# KiCad board RASBB.kicad_pcb (continued)
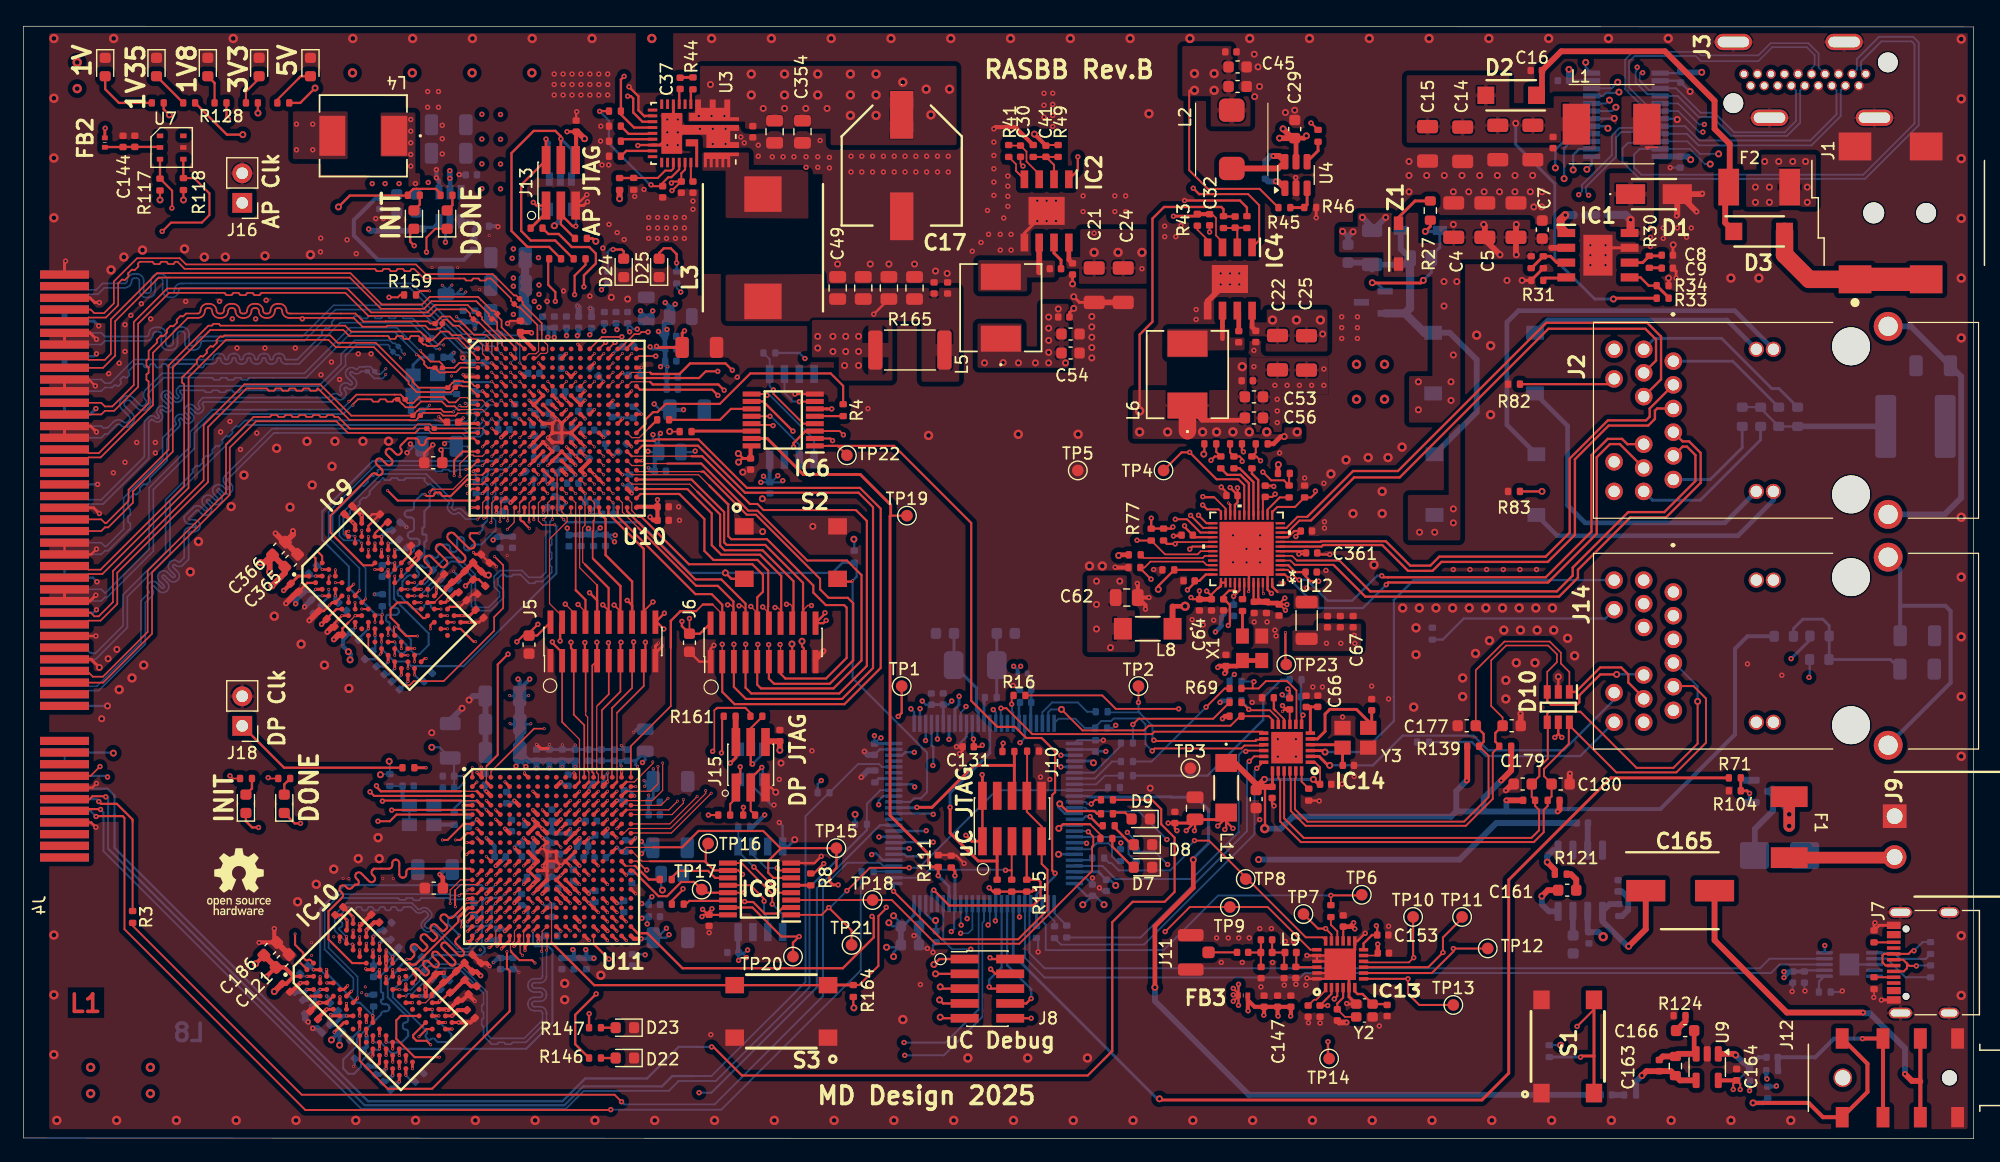
[diagram p0: board, top side]
## Library data of the parts (continued)
U4 = -: Datasheet: https://www.lcsc.com/datasheet/lcsc_datasheet_2404111510_JoulWatt-Tech-JW5026_C185109.pdf; Description: Step-down type 1A SOT-23-6 DC-DC Converters ROHS; LCSC Part #: C185109
U6 = -: Datasheet: https://www.lcsc.com/datasheet/lcsc_datasheet_2403131141_WCH-Jiangsu-Qin-Heng-CH340E_C99652.pdf; Description: 2Mbps Transceiver USB 2.0 MSOP-10 USB Converters ROHS; LCSC Part #  : C99652; LCSC Part #: C99652
U7 = -: Datasheet: https://www.lcsc.com/datasheet/lcsc_datasheet_2310231158_Aosong--Guangzhou-Elec-AHT20_C2757850.pdf; Description: SMD Temperature and Humidity Sensor ROHS; LCSC Part #: C2757850
U8 = -: Datasheet: https://www.lcsc.com/datasheet/lcsc_datasheet_2004111632_HTC-Korea-TAEJIN-Tech-LM386D_C510560.pdf; Description: SOP-8 Audio Amplifiers ROHS; Mfr. Part # : LM386D; LCSC Part #: C510560; Mfr. Part #: LM386D; ki_fp_filters: SOIC*3.9x4.9mm*P1.27mm* DIP*W7.62mm* MSSOP*P0.65mm* TSSOP*3x3mm*P0.5mm*
U9 = -: Datasheet: http://www.ti.com/lit/ds/symlink/lm321.pdf; Description: Low Power Single Operational Amplifier, SOT-23-5; LCSC Part #: C280706; ki_fp_filters: SOT?23*
U10 U11 = -: Description: Artix 7 T 100 XC7A100T-CSG324; Mfr. Part # : XC7A100T-2CSG324I; LCSC Part #: C1521791; Mfr. Part #: XC7A100T-2CSG324I
U12 = -: Description: 4 PHYtransceiver QFN-48-EP(6x6) Ethernet Transceivers ROHS; LCSC Part # : C90735; LCSC Part #: C90735; ki_fp_filters: QFN48_6X6X0P85_RTK QFN48_6X6X0P85_RTK-M QFN48_6X6X0P85_RTK-L
X1 X3 X4 = -: Datasheet: https://www.lcsc.com/datasheet/lcsc_datasheet_2407310922_YXC-Crystal-Oscillators-OT2EL4C4JI-111OLP-50M_C5203552.pdf; Description: 1.8V~3.3V ±10ppm CMOS 50MHz SMD3225-4P Crystal Oscillator; LCSC Part #: C5203552; ki_fp_filters: Oscillator*SMD*Abracon*ASE*3.2x2.5mm*
Y1 = -: Datasheet: https://www.lcsc.com/datasheet/lcsc_datasheet_2403291504_YXC-Crystal-Oscillators-X503220MSB2GI_C112566.pdf; Description: 20MHz Surface Mount Crystal 20pF ±10ppm ±20ppm SMD5032 Crystals ROHS; LCSC Part #: C112566; ki_fp_filters: Crystal*
Y2 = -: Datasheet: https://www.lcsc.com/datasheet/lcsc_datasheet_2206091716_HCI-XC21M4-52-000-F10NNHPL_C3034316.pdf; Description: 52MHz Surface Mount Crystal 10pF ±10ppm ±10ppm SMD2016-4P Crystals ROHS; Manufacturer_Name: HCI; LCSC Part #: C3034316
Y3 = -: Description: Four pin crystal, GND on pins 2 and 3; LCSC Part #: C5280577; ki_fp_filters: Crystal*
Z1 = -: Datasheet: http://www.onsemi.com/pub/Collateral/MMSZ5221BT1-D.PDF; Description: Independent Type 26.6V~29.4V 500mW 28V SOD-123 Zener Diodes ROHS; Height: 1.35; Manufacturer_Name: onsemi; LCSC Part #: C242284

## Footprints (pads in the part's own frame, mm; a bottom-side part is the same pattern mirrored in y, then rotated)
0630CDMCDDS-100MC
  rect 2.35x3.5 smd: 1(-3.025,0) 2(3.025,0)
AHT20
  rect 0.55x0.4 smd: 1(-1,1) 2(-1,0) 3(-1,-1) 4(1,-1) 5(1,0) 6(1,1)
B3FS-1000P
  rect 1.6x1.4 smd: 1(4,-2.25) 2(-4,-2.25) 3(4,2.25) 4(-4,2.25)
BGA96C80P9X16_800X1400X120
  round 0.426 smd: A1(-3.2,6) A2(-2.4,6) A3(-1.6,6) A7(1.6,6) A8(2.4,6) A9(3.2,6) B1(-3.2,5.2) B2(-2.4,5.2) B3(-1.6,5.2) B7(1.6,5.2) B8(2.4,5.2) B9(3.2,5.2) C1(-3.2,4.4) C2(-2.4,4.4) C3(-1.6,4.4) C7(1.6,4.4) C8(2.4,4.4) C9(3.2,4.4) D1(-3.2,3.6) D2(-2.4,3.6) D3(-1.6,3.6) D7(1.6,3.6) D8(2.4,3.6) D9(3.2,3.6) E1(-3.2,2.8) E2(-2.4,2.8) E3(-1.6,2.8) E7(1.6,2.8) E8(2.4,2.8) E9(3.2,2.8) F1(-3.2,2) F2(-2.4,2) F3(-1.6,2) F7(1.6,2) F8(2.4,2) F9(3.2,2) G1(-3.2,1.2) G2(-2.4,1.2) G3(-1.6,1.2) G7(1.6,1.2) G8(2.4,1.2) G9(3.2,1.2) H1(-3.2,0.4) H2(-2.4,0.4) H3(-1.6,0.4) H7(1.6,0.4) H8(2.4,0.4) H9(3.2,0.4) J1(-3.2,-0.4) J2(-2.4,-0.4) J3(-1.6,-0.4) J7(1.6,-0.4) J8(2.4,-0.4) J9(3.2,-0.4) K1(-3.2,-1.2) K2(-2.4,-1.2) K3(-1.6,-1.2) K7(1.6,-1.2) K8(2.4,-1.2) K9(3.2,-1.2) L1(-3.2,-2) L2(-2.4,-2) L3(-1.6,-2) L7(1.6,-2) L8(2.4,-2) L9(3.2,-2) M1(-3.2,-2.8) M2(-2.4,-2.8) M3(-1.6,-2.8) M7(1.6,-2.8) M8(2.4,-2.8) M9(3.2,-2.8) N1(-3.2,-3.6) N2(-2.4,-3.6) N3(-1.6,-3.6) N7(1.6,-3.6) N8(2.4,-3.6) N9(3.2,-3.6) P1(-3.2,-4.4) P2(-2.4,-4.4) P3(-1.6,-4.4) P7(1.6,-4.4) P8(2.4,-4.4) P9(3.2,-4.4) R1(-3.2,-5.2) R2(-2.4,-5.2) R3(-1.6,-5.2) R7(1.6,-5.2) R8(2.4,-5.2) R9(3.2,-5.2) T1(-3.2,-6) T2(-2.4,-6) T3(-1.6,-6) T7(1.6,-6) T8(2.4,-6) T9(3.2,-6)
BGA324C80P18X18_1500X1500X150
  round 0.41 smd: A1(-6.8,6.8) A2(-6,6.8) A3(-5.2,6.8) A4(-4.4,6.8) A5(-3.6,6.8) A6(-2.8,6.8) A7(-2,6.8) A8(-1.2,6.8) A9(-0.4,6.8) A10(0.4,6.8) A11(1.2,6.8) A12(2,6.8) A13(2.8,6.8) A14(3.6,6.8) A15(4.4,6.8) A16(5.2,6.8) A17(6,6.8) A18(6.8,6.8) B1(-6.8,6) B2(-6,6) B3(-5.2,6) B4(-4.4,6) B5(-3.6,6) B6(-2.8,6) B7(-2,6) B8(-1.2,6) B9(-0.4,6) B10(0.4,6) B11(1.2,6) B12(2,6) B13(2.8,6) B14(3.6,6) B15(4.4,6) B16(5.2,6) B17(6,6) B18(6.8,6) C1(-6.8,5.2) C2(-6,5.2) C3(-5.2,5.2) C4(-4.4,5.2) C5(-3.6,5.2) C6(-2.8,5.2) C7(-2,5.2) C8(-1.2,5.2) C9(-0.4,5.2) C10(0.4,5.2) C11(1.2,5.2) C12(2,5.2) C13(2.8,5.2) C14(3.6,5.2) C15(4.4,5.2) C16(5.2,5.2) C17(6,5.2) C18(6.8,5.2) D1(-6.8,4.4) D2(-6,4.4) D3(-5.2,4.4) D4(-4.4,4.4) D5(-3.6,4.4) D6(-2.8,4.4) D7(-2,4.4) D8(-1.2,4.4) D9(-0.4,4.4) D10(0.4,4.4) D11(1.2,4.4) D12(2,4.4) D13(2.8,4.4) D14(3.6,4.4) D15(4.4,4.4) D16(5.2,4.4) D17(6,4.4) D18(6.8,4.4) E1(-6.8,3.6) E2(-6,3.6) E3(-5.2,3.6) E4(-4.4,3.6) E5(-3.6,3.6) E6(-2.8,3.6) E7(-2,3.6) E8(-1.2,3.6) E9(-0.4,3.6) E10(0.4,3.6) E11(1.2,3.6) E12(2,3.6) E13(2.8,3.6) E14(3.6,3.6) E15(4.4,3.6) E16(5.2,3.6) E17(6,3.6) E18(6.8,3.6) F1(-6.8,2.8) F2(-6,2.8) F3(-5.2,2.8) F4(-4.4,2.8) F5(-3.6,2.8) F6(-2.8,2.8) F7(-2,2.8) F8(-1.2,2.8) F9(-0.4,2.8) F10(0.4,2.8) F11(1.2,2.8) F12(2,2.8) F13(2.8,2.8) F14(3.6,2.8) F15(4.4,2.8) F16(5.2,2.8) F17(6,2.8) F18(6.8,2.8) G1(-6.8,2) G2(-6,2) G3(-5.2,2) G4(-4.4,2) G5(-3.6,2) G6(-2.8,2) G7(-2,2) G8(-1.2,2) G9(-0.4,2) G10(0.4,2) G11(1.2,2) G12(2,2) G13(2.8,2) G14(3.6,2) G15(4.4,2) G16(5.2,2) G17(6,2) G18(6.8,2) H1(-6.8,1.2) H2(-6,1.2) H3(-5.2,1.2) H4(-4.4,1.2) H5(-3.6,1.2) H6(-2.8,1.2) H7(-2,1.2) H8(-1.2,1.2) H9(-0.4,1.2) H10(0.4,1.2) H11(1.2,1.2) H12(2,1.2) H13(2.8,1.2) H14(3.6,1.2) H15(4.4,1.2) H16(5.2,1.2) H17(6,1.2) H18(6.8,1.2) J1(-6.8,0.4) J2(-6,0.4) J3(-5.2,0.4) J4(-4.4,0.4) J5(-3.6,0.4) J6(-2.8,0.4) J7(-2,0.4) J8(-1.2,0.4) J9(-0.4,0.4) J10(0.4,0.4) J11(1.2,0.4) J12(2,0.4) J13(2.8,0.4) J14(3.6,0.4) J15(4.4,0.4) J16(5.2,0.4) J17(6,0.4) J18(6.8,0.4) K1(-6.8,-0.4) K2(-6,-0.4) K3(-5.2,-0.4) K4(-4.4,-0.4) K5(-3.6,-0.4) K6(-2.8,-0.4) K7(-2,-0.4) K8(-1.2,-0.4) K9(-0.4,-0.4) K10(0.4,-0.4) K11(1.2,-0.4) K12(2,-0.4) K13(2.8,-0.4) K14(3.6,-0.4) K15(4.4,-0.4) K16(5.2,-0.4) K17(6,-0.4) K18(6.8,-0.4) L1(-6.8,-1.2) L2(-6,-1.2) L3(-5.2,-1.2) L4(-4.4,-1.2) L5(-3.6,-1.2) L6(-2.8,-1.2) L7(-2,-1.2) L8(-1.2,-1.2) L9(-0.4,-1.2) L10(0.4,-1.2) L11(1.2,-1.2) L12(2,-1.2) L13(2.8,-1.2) L14(3.6,-1.2) L15(4.4,-1.2) L16(5.2,-1.2) L17(6,-1.2) L18(6.8,-1.2) M1(-6.8,-2) M2(-6,-2) M3(-5.2,-2) M4(-4.4,-2) M5(-3.6,-2) M6(-2.8,-2) M7(-2,-2) M8(-1.2,-2) M9(-0.4,-2) M10(0.4,-2) M11(1.2,-2) M12(2,-2) M13(2.8,-2) M14(3.6,-2) M15(4.4,-2) M16(5.2,-2) M17(6,-2) M18(6.8,-2) N1(-6.8,-2.8) N2(-6,-2.8) N3(-5.2,-2.8) N4(-4.4,-2.8) N5(-3.6,-2.8) N6(-2.8,-2.8) N7(-2,-2.8) N8(-1.2,-2.8) N9(-0.4,-2.8) N10(0.4,-2.8) N11(1.2,-2.8) N12(2,-2.8) N13(2.8,-2.8) N14(3.6,-2.8) N15(4.4,-2.8) N16(5.2,-2.8) N17(6,-2.8) N18(6.8,-2.8) P1(-6.8,-3.6) P2(-6,-3.6) P3(-5.2,-3.6) P4(-4.4,-3.6) P5(-3.6,-3.6) P6(-2.8,-3.6) P7(-2,-3.6) P8(-1.2,-3.6) P9(-0.4,-3.6) P10(0.4,-3.6) P11(1.2,-3.6) P12(2,-3.6) P13(2.8,-3.6) P14(3.6,-3.6) P15(4.4,-3.6) P16(5.2,-3.6) P17(6,-3.6) P18(6.8,-3.6) R1(-6.8,-4.4) R2(-6,-4.4) R3(-5.2,-4.4) R4(-4.4,-4.4) R5(-3.6,-4.4) R6(-2.8,-4.4) R7(-2,-4.4) R8(-1.2,-4.4) R9(-0.4,-4.4) R10(0.4,-4.4) R11(1.2,-4.4) R12(2,-4.4) R13(2.8,-4.4) R14(3.6,-4.4) R15(4.4,-4.4) R16(5.2,-4.4) R17(6,-4.4) R18(6.8,-4.4) T1(-6.8,-5.2) T2(-6,-5.2) T3(-5.2,-5.2) T4(-4.4,-5.2) T5(-3.6,-5.2) T6(-2.8,-5.2) T7(-2,-5.2) T8(-1.2,-5.2) T9(-0.4,-5.2) T10(0.4,-5.2) T11(1.2,-5.2) T12(2,-5.2) T13(2.8,-5.2) T14(3.6,-5.2) T15(4.4,-5.2) T16(5.2,-5.2) T17(6,-5.2) T18(6.8,-5.2) U1(-6.8,-6) U2(-6,-6) U3(-5.2,-6) U4(-4.4,-6) U5(-3.6,-6) U6(-2.8,-6) U7(-2,-6) U8(-1.2,-6) U9(-0.4,-6) U10(0.4,-6) U11(1.2,-6) U12(2,-6) U13(2.8,-6) U14(3.6,-6) U15(4.4,-6) U16(5.2,-6) U17(6,-6) U18(6.8,-6) V1(-6.8,-6.8) V2(-6,-6.8) V3(-5.2,-6.8) V4(-4.4,-6.8) V5(-3.6,-6.8) V6(-2.8,-6.8) V7(-2,-6.8) V8(-1.2,-6.8) V9(-0.4,-6.8) V10(0.4,-6.8) V11(1.2,-6.8) V12(2,-6.8) V13(2.8,-6.8) V14(3.6,-6.8) V15(4.4,-6.8) V16(5.2,-6.8) V17(6,-6.8) V18(6.8,-6.8)
BSMD1812
  rect 1.78x3.15 smd: 1(-2.615,0) 2(2.615,0)
C_0402_1005Metric
  rrect 0.56x0.62 smd: 1(-0.48,0) 2(0.48,0)
C_0603_1608Metric
  rrect 0.9x0.95 smd: 1(-0.775,0) 2(0.775,0)
C_0805_2012Metric
  rrect 1x1.45 smd: 1(-0.95,0) 2(0.95,0)
C_1206_3216Metric
  rrect 1.15x1.8 smd: 1(-1.475,0) 2(1.475,0)
C_2220_5750Metric
  rrect 1.8x5.4 smd: 1(-2.55,0) 2(2.55,0)
CAPAE660X800N
  rect 3.35x1.85 smd: 1(-2.95,0) 2(2.95,0)
Crystal_SMD_3225-4Pin_3.2x2.5mm
  rect 1.4x1.2 smd: 1(-1.1,-0.85) 2(1.1,-0.85) 3(1.1,0.85) 4(-1.1,0.85)
CUI_PJ-002AH-SMT-TR
  round 1.7 hole 1.7 unplated: (-6.1,-5.7)
  round 1.8 hole 1.8 unplated: (-1.6,-5.7)
  rect 2.8x2.4 smd: 1A(0,0) 1B(-6.1,0) 2(-6.1,-11.4) 3(0,-11.4)
D_SMB
  rrect 2.5x2.3 smd: 1(-2.15,0) 2(2.15,0)
DF1501ST
  rect 1.2x1.52 smd: 1(2.6,4.37) 2(2.6,-4.37) 3(-2.6,4.37) 4(-2.6,-4.37)
EEE0JA152UAP
  rect 4.1x2 smd: 1(-4.35,0) 2(4.35,0)
FC68128
  round 1.3 hole 1.3 unplated: (2.875,12.1)
  round 1.6 hole 1.3 unplated: (2.875,2.95)
  rect 1.75x1.1 smd: 1A(6.25,12.8) 1B(-0.5,12.8) 2A(6.25,9.6) 2B(-0.5,9.6) 3A(6.25,6.4) 3B(-0.5,6.4) 4A(6.25,2.9) 4B(-0.5,2.9)
HDMI-001A
  round 1.7 hole 1.7 unplated: (-2.5,11.35) (1,-1.9)
  round 0.8 hole 0.55: 1(0,0) 2(-1,0.58) 3(0,1.16) 4(-1,1.74) 5(0,2.32) 6(-1,2.9) 7(0,3.48) 8(-1,4.06) 9(0,4.64) 10(-1,5.22) 11(0,5.8) 12(-1,6.38) 13(0,6.96) 14(-1,7.54) 15(0,8.12) 16(-1,8.7) 17(0,9.28) 18(-1,9.86) 19(0,10.44)
  oval 1.4x3.2 hole 0.9x2.7: SH(-3.75,8.25) SH(-3.75,-0.75) SH(2.75,11.35) SH(2.75,1.85)
IND_BLM41_1806_MUR-M
  rect 1.541x1.853 smd: 1(-2.129,0) 2(2.129,0)
IND_IHLP-2525CZ_VIS
  rect 2.235x3.429 smd: 1(-2.654,0) 2(2.654,0)
INDPM109103X400N
  rect 3.05x3.2 smd: 1(-4.6,0) 2(4.6,0)
JK00229NL
  round 3.25 hole 3.25 unplated: (-11.425,-15.24) (1.275,-15.24)
  round 1.509 hole 0.97: 1(0,0) 2(-2.03,0) 3(-4.06,0) 4(-6.09,0) 5(-8.12,0) 6(-10.15,0) 7(1.02,2.54) 8(-1,2.54) 9(-3.04,2.54) 10(-7.12,2.54) 11(-9.16,2.54) 12(-11.17,2.54) 17(1.02,5.08) 18(-1.52,5.08) 19(-8.63,5.08) 20(-11.17,5.08)
  round 1.3 hole 0.97: 13(1.022,-7.11) 14(-11.172,-7.11) 15(1.022,-8.58) 16(-11.172,-8.58)
  round 2.475 hole 1.65: MH1(-13.14,-18.42) MH2(2.99,-18.42)
L_0402_1005Metric
  rrect 0.59x0.64 smd: 1(-0.485,0) 2(0.485,0)
L_1206_3216Metric
  rrect 1.05x1.9 smd: 1(-1.575,0) 2(1.575,0)
LED_0603_1608Metric
  rrect 0.875x0.95 smd: 1(-0.788,0) 2(0.788,0)
MSOP-10-1EP_3x3mm_P0.5mm_EP1.68x1.88mm
  rrect 0.68x0.76 smd: (-0.42,-0.47) (-0.42,0.47) (0.42,-0.47) (0.42,0.47)
  rrect 1.45x0.3 smd: 1(-2.15,1) 2(-2.15,0.5) 3(-2.15,0) 4(-2.15,-0.5) 5(-2.15,-1) 6(2.15,-1) 7(2.15,-0.5) 8(2.15,0) 9(2.15,0.5) 10(2.15,1)
  rect 1.68x1.88 smd: 11(0,0)
NFZ15SG152SN10B
  rect 0.4x0.5 smd: 1(-0.4,0) 2(0.4,0)
Oscillator_SMD_Abracon_ASE-4Pin_3.2x2.5mm
  rect 1.3x1.1 smd: 1(-1.05,-0.825) 2(1.05,-0.825) 3(1.05,0.825) 4(-1.05,0.825)
PinHeader_1x02_P2.54mm_Vertical
  rect 1.7x1.7 hole 1: 1(0,0)
  oval 1.7x1.7 hole 1: 2(0,-2.54)
PinHeader_2x03_P1.27mm_Vertical_SMD
  rect 2.4x0.74 smd: 1(-1.95,1.27) 2(1.95,1.27) 3(-1.95,0) 4(1.95,0) 5(-1.95,-1.27) 6(1.95,-1.27)
PinHeader_2x05_P1.27mm_Vertical_SMD
  rect 2.4x0.74 smd: 1(-1.95,2.54) 2(1.95,2.54) 3(-1.95,1.27) 4(1.95,1.27) 5(-1.95,0) 6(1.95,0) 7(-1.95,-1.27) 8(1.95,-1.27) 9(-1.95,-2.54) 10(1.95,-2.54)
PinHeader_2x10_P1.00mm_Vertical_SMD
  rect 2x0.5 smd: 1(-1.65,4.5) 2(1.65,4.5) 3(-1.65,3.5) 4(1.65,3.5) 5(-1.65,2.5) 6(1.65,2.5) 7(-1.65,1.5) 8(1.65,1.5) 9(-1.65,0.5) 10(1.65,0.5) 11(-1.65,-0.5) 12(1.65,-0.5) 13(-1.65,-1.5) 14(1.65,-1.5) 15(-1.65,-2.5) 16(1.65,-2.5) 17(-1.65,-3.5) 18(1.65,-3.5) 19(-1.65,-4.5) 20(1.65,-4.5)
POWERPAK_MLP34-57_VIS
  custom 1.831x4.282 smd: 1-3/34(-1.999,2.901)
  rect 0.813x0.254 smd: 4(-2.502,-0.221) 5(-2.502,-0.719) 6(-2.502,-1.219) 7(-2.502,-1.72) 8(-2.502,-2.22) 9(-2.502,-2.72) 19(2.502,-2.72) 20(2.502,-2.22) 21(2.502,-1.72) 22(2.502,-1.219) 23(2.502,-0.719) 24(2.502,-0.221)
  rect 0.254x0.813 smd: 10(-1.999,-3.505) 11(-1.501,-3.505) 12(-1.001,-3.505) 13(-0.5,-3.505) 14(0,-3.505) 15(0.5,-3.505) 16(1.001,-3.505) 17(1.501,-3.505) 18(1.999,-3.505)
  custom 2.403x1.067 smd: 25(1.899,0.279)
  custom 1.26x3.012 smd: 26-31(2.502,3.025)
  custom 3.505x6.66 smd: 32/33(-0.33,0.27)
QFN48_6X6X0P85_RTK
  rect 0.813x0.203 smd: 1(-2.896,2.2) 2(-2.896,1.8) 3(-2.896,1.4) 4(-2.896,1) 5(-2.896,0.6) 6(-2.896,0.2) 7(-2.896,-0.2) 8(-2.896,-0.6) 9(-2.896,-1) 10(-2.896,-1.4) 11(-2.896,-1.8) 12(-2.896,-2.2) 25(2.896,-2.2) 26(2.896,-1.8) 27(2.896,-1.4) 28(2.896,-1) 29(2.896,-0.6) 30(2.896,-0.2) 31(2.896,0.2) 32(2.896,0.6) 33(2.896,1) 34(2.896,1.4) 35(2.896,1.8) 36(2.896,2.2)
  rect 0.203x0.813 smd: 13(-2.2,-2.896) 14(-1.8,-2.896) 15(-1.4,-2.896) 16(-1,-2.896) 17(-0.6,-2.896) 18(-0.2,-2.896) 19(0.2,-2.896) 20(0.6,-2.896) 21(1,-2.896) 22(1.4,-2.896) 23(1.8,-2.896) 24(2.2,-2.896) 37(2.2,2.896) 38(1.8,2.896) 39(1.4,2.896) 40(1,2.896) 41(0.6,2.896) 42(0.2,2.896) 43(-0.2,2.896) 44(-0.6,2.896) 45(-1,2.896) 46(-1.4,2.896) 47(-1.8,2.896) 48(-2.2,2.896)
  rect 4.648x4.648 smd: 49(0,0)
QFN50P400X400X100-25N-D
  rect 0.8x0.3 smd: 1(-2,1.25) 2(-2,0.75) 3(-2,0.25) 4(-2,-0.25) 5(-2,-0.75) 6(-2,-1.25) 13(2,-1.25) 14(2,-0.75) 15(2,-0.25) 16(2,0.25) 17(2,0.75) 18(2,1.25)
  rect 0.3x0.8 smd: 7(-1.25,-2) 8(-0.75,-2) 9(-0.25,-2) 10(0.25,-2) 11(0.75,-2) 12(1.25,-2) 19(1.25,2) 20(0.75,2) 21(0.25,2) 22(-0.25,2) 23(-0.75,2) 24(-1.25,2)
  rect 2.7x2.7 smd: 25(0,0)
QFP50P1600X1600X160-100N
  rect 1.475x0.3 smd: 1(-7.738,6) 2(-7.738,5.5) 3(-7.738,5) 4(-7.738,4.5) 5(-7.738,4) 6(-7.738,3.5) 7(-7.738,3) 8(-7.738,2.5) 9(-7.738,2) 10(-7.738,1.5) 11(-7.738,1) 12(-7.738,0.5) 13(-7.738,0) 14(-7.738,-0.5) 15(-7.738,-1) 16(-7.738,-1.5) 17(-7.738,-2) 18(-7.738,-2.5) 19(-7.738,-3) 20(-7.738,-3.5) 21(-7.738,-4) 22(-7.738,-4.5) 23(-7.738,-5) 24(-7.738,-5.5) 25(-7.738,-6) 51(7.738,-6) 52(7.738,-5.5) 53(7.738,-5) 54(7.738,-4.5) 55(7.738,-4) 56(7.738,-3.5) 57(7.738,-3) 58(7.738,-2.5) 59(7.738,-2) 60(7.738,-1.5) 61(7.738,-1) 62(7.738,-0.5) 63(7.738,0) 64(7.738,0.5) 65(7.738,1) 66(7.738,1.5) 67(7.738,2) 68(7.738,2.5) 69(7.738,3) 70(7.738,3.5) 71(7.738,4) 72(7.738,4.5) 73(7.738,5) 74(7.738,5.5) 75(7.738,6)
  rect 0.3x1.475 smd: 26(-6,-7.738) 27(-5.5,-7.738) 28(-5,-7.738) 29(-4.5,-7.738) 30(-4,-7.738) 31(-3.5,-7.738) 32(-3,-7.738) 33(-2.5,-7.738) 34(-2,-7.738) 35(-1.5,-7.738) 36(-1,-7.738) 37(-0.5,-7.738) 38(0,-7.738) 39(0.5,-7.738) 40(1,-7.738) 41(1.5,-7.738) 42(2,-7.738) 43(2.5,-7.738) 44(3,-7.738) 45(3.5,-7.738) 46(4,-7.738) 47(4.5,-7.738) 48(5,-7.738) 49(5.5,-7.738) 50(6,-7.738) 76(6,7.738) 77(5.5,7.738) 78(5,7.738) 79(4.5,7.738) 80(4,7.738) 81(3.5,7.738) 82(3,7.738) 83(2.5,7.738) 84(2,7.738) 85(1.5,7.738) 86(1,7.738) 87(0.5,7.738) 88(0,7.738) 89(-0.5,7.738) 90(-1,7.738) 91(-1.5,7.738) 92(-2,7.738) 93(-2.5,7.738) 94(-3,7.738) 95(-3.5,7.738) 96(-4,7.738) 97(-4.5,7.738) 98(-5,7.738) 99(-5.5,7.738) 100(-6,7.738)
R_0201_0603Metric
  rrect 0.318x0.36 smd: (-0.345,0) (0.345,0)
  rrect 0.46x0.4 smd: 1(-0.32,0) 2(0.32,0)
R_0402_1005Metric
  rrect 0.54x0.64 smd: 1(-0.51,0) 2(0.51,0)
R_0603_1608Metric
  rrect 0.8x0.95 smd: 1(-0.825,0) 2(0.825,0)
R_0805_2012Metric
  rrect 1.025x1.4 smd: 1(-0.912,0) 2(0.912,0)
R_1206_3216Metric
  rrect 1.125x1.75 smd: 1(-1.462,0) 2(1.462,0)
R_2512_6332Metric
  rrect 1.225x3.35 smd: 1(-2.962,0) 2(2.962,0)
SAMTEC_PCIE-098-02-X-D-EMS3
  rect 0.7x4.2 smd: A01(-25,3.5) A02(-24,3.5) A03(-23,3.5) A04(-22,3.5) A05(-21,3.5) A06(-20,3.5) A07(-19,3.5) A08(-18,3.5) A09(-17,3.5) A10(-16,3.5) A11(-15,3.5) A12(-12,3.5) A13(-11,3.5) A14(-10,3.5) A15(-9,3.5) A16(-8,3.5) A17(-7,3.5) A18(-6,3.5) A19(-5,3.5) A20(-4,3.5) A21(-3,3.5) A22(-2,3.5) A23(-1,3.5) A24(0,3.5) A25(1,3.5) A26(2,3.5) A27(3,3.5) A28(4,3.5) A29(5,3.5) A30(6,3.5) A31(7,3.5) A32(8,3.5) A33(9,3.5) A34(10,3.5) A35(11,3.5) A36(12,3.5) A37(13,3.5) A38(14,3.5) A39(15,3.5) A40(16,3.5) A41(17,3.5) A42(18,3.5) A43(19,3.5) A44(20,3.5) A45(21,3.5) A46(22,3.5) A47(23,3.5) A48(24,3.5) A49(25,3.5)
  rect 0.7x4.2 smd far side: B01(-25,3.5) B02(-24,3.5) B03(-23,3.5) B04(-22,3.5) B05(-21,3.5) B06(-20,3.5) B07(-19,3.5) B08(-18,3.5) B09(-17,3.5) B10(-16,3.5) B11(-15,3.5) B12(-12,3.5) B13(-11,3.5) B14(-10,3.5) B15(-9,3.5) B16(-8,3.5) B17(-7,3.5) B18(-6,3.5) B19(-5,3.5) B20(-4,3.5) B21(-3,3.5) B22(-2,3.5) B23(-1,3.5) B24(0,3.5) B25(1,3.5) B26(2,3.5) B27(3,3.5) B28(4,3.5) B29(5,3.5) B30(6,3.5) B31(7,3.5) B32(8,3.5) B33(9,3.5) B34(10,3.5) B35(11,3.5) B36(12,3.5) B37(13,3.5) B38(14,3.5) B39(15,3.5) B40(16,3.5) B41(17,3.5) B42(18,3.5) B43(19,3.5) B44(20,3.5) B45(21,3.5) B46(22,3.5) B47(23,3.5) B48(24,3.5) B49(25,3.5)
SDT5A60SA13
  rect 2.5x1.7 smd: 1(-2,0) 2(2,0)
SHDRRA2W80P0X350_1X2_1050X920X750P
  rect 2.025x2.025 hole 1.35: 1(0,0)
  round 2.025 hole 1.35: 2(3.5,0)
SMDRS6028-150N
  rrect 2x2.2 smd: 1(-2.5,0) 2(2.5,0)
SOD3716X135N
  rect 1.15x0.8 smd: 1(-1.75,0) 2(1.75,0)
SOD-123_ONS
  rect 1.208x0.771 smd: 1(-1.676,0) 2(1.676,0)
SODFL5226X100N
  rect 1.45x1.49 smd: 1(-2.175,0) 2(2.175,0)
SOIC127P600X170-9N
  rect 1.525x0.65 smd: 1(-2.712,1.905) 2(-2.712,0.635) 3(-2.712,-0.635) 4(-2.712,-1.905) 5(2.712,-1.905) 6(2.712,-0.635) 7(2.712,0.635) 8(2.712,1.905)
  rect 2.4x3.1 smd: 9(0,0)
SOIC127P600X175-9N
  rect 1.522x0.7 smd: 1(-2.714,1.905) 2(-2.714,0.635) 3(-2.714,-0.635) 4(-2.714,-1.905) 5(2.714,-1.905) 6(2.714,-0.635) 7(2.714,0.635) 8(2.714,1.905)
  rect 2.5x3.5 smd: 9(0,0)
SOIC127P800X216-8N
  rect 1.55x0.65 smd: 1(-3.675,1.905) 2(-3.675,0.635) 3(-3.675,-0.635) 4(-3.675,-1.905) 5(3.675,-1.905) 6(3.675,-0.635) 7(3.675,0.635) 8(3.675,1.905)
SOP64P600X175-16N
  rect 1.528x0.435 smd: 1(-2.711,2.222) 2(-2.711,1.588) 3(-2.711,0.952) 4(-2.711,0.318) 5(-2.711,-0.318) 6(-2.711,-0.952) 7(-2.711,-1.588) 8(-2.711,-2.222) 9(2.711,-2.222) 10(2.711,-1.588) 11(2.711,-0.952) 12(2.711,-0.318) 13(2.711,0.318) 14(2.711,0.952) 15(2.711,1.588) 16(2.711,2.222)
SOP65P640X120-24N
  rect 1.475x0.45 smd: 1(-2.938,3.575) 2(-2.938,2.925) 3(-2.938,2.275) 4(-2.938,1.625) 5(-2.938,0.975) 6(-2.938,0.325) 7(-2.938,-0.325) 8(-2.938,-0.975) 9(-2.938,-1.625) 10(-2.938,-2.275) 11(-2.938,-2.925) 12(-2.938,-3.575) 13(2.938,-3.575) 14(2.938,-2.925) 15(2.938,-2.275) 16(2.938,-1.625) 17(2.938,-0.975) 18(2.938,-0.325) 19(2.938,0.325) 20(2.938,0.975) 21(2.938,1.625) 22(2.938,2.275) 23(2.938,2.925) 24(2.938,3.575)
SOP-8_3.9x4.9mm_P1.27mm
  rrect 1.65x0.6 smd: 1(-2.625,1.905) 2(-2.625,0.635) 3(-2.625,-0.635) 4(-2.625,-1.905) 5(2.625,-1.905) 6(2.625,-0.635) 7(2.625,0.635) 8(2.625,1.905)
SOT95P280X110-6N
  rect 1.25x0.6 smd: 1(-1.25,0.95) 2(-1.25,0) 3(-1.25,-0.95) 4(1.25,-0.95) 5(1.25,0) 6(1.25,0.95)
SOT95P285X140-6N
  rect 1.15x0.6 smd: 1(-1.3,0.95) 2(-1.3,0) 3(-1.3,-0.95) 4(1.3,-0.95) 5(1.3,0) 6(1.3,0.95)
SOT-23
  rrect 1.475x0.6 smd: 1(-0.938,0.95) 2(-0.938,-0.95) 3(0.938,0)
SOT-23-5
  rrect 1.325x0.6 smd: 1(-1.137,0.95) 2(-1.137,0) 3(-1.137,-0.95) 4(1.137,-0.95) 5(1.137,0.95)
SOT-23-6
  rrect 1.325x0.6 smd: 1(-1.137,0.95) 2(-1.137,0) 3(-1.137,-0.95) 4(1.137,-0.95) 5(1.137,0) 6(1.137,0.95)
SOT_4DS-T1-GE3_VIS
  rect 0.568x1.31 smd: 1(-0.95,-1.016) 2(0.95,-1.016) 3(0,1.016)
TestPoint_Pad_D1.0mm
  round 1 smd: 1(0,0)
U.FL_Hirose_U.FL-R-SMT-1_Vertical
  rrect 1.05x1 smd: 1(-1.05,0)
  rrect 2.2x1.05 smd: 2(0.475,1.475) 2(0.475,-1.475)
USB_C_Receptacle_Palconn_UTC16-G
  round 0.6 hole 0.6 unplated: (-2.89,1.45) (2.89,1.45)
  rect 0.6x1.16 smd: A1(-3.2,2.51) A4(-2.4,2.51) A9(2.4,2.51) A12(3.2,2.51) B1(3.2,2.51) B4(2.4,2.51) B9(-2.4,2.51) B12(-3.2,2.51)
  rect 0.3x1.16 smd: A5(-1.25,2.51) A6(-0.25,2.51) A7(0.25,2.51) A8(1.25,2.51) B5(1.75,2.51) B6(0.75,2.51) B7(-0.75,2.51) B8(-1.75,2.51)
  oval 0.9x2 hole 0.6x1.7: S1(-4.32,1.93) S1(4.32,1.93)
  oval 0.9x1.7 hole 0.6x1.4: S1(-4.32,-2.24) S1(4.32,-2.24)
X503220MSB2GI
  rrect 1.7x2.4 smd: 1(-1.85,0) 2(1.85,0)
XC21M4-52.000-F10NNHPL
  rrect 0.9x0.8 smd: 1(-0.7,-0.55) 2(0.7,-0.55) 3(0.7,0.55) 4(-0.7,0.55)

## Nets
+1V0: C185.1 C189.1 C190.1 C193.1 C194.1 C197.1 C198.1 C201.1 C205.1 C207.1 C209.1 C211.1 C212.1 C213.1 C214.1 C215.1 C216.1 C217.1 C218.1 C219.1 C220.1 C269.1 C273.1 C274.1 C277.1 C278.1 C281.1 C282.1 C285.1 C289.1 C291.1 C293.1 C295.1 C296.1 C297.1 C298.1 C299.1 C300.1 C301.1 C302.1 C303.1 C304.1 R130.1 R165.1 U10.F8 U10.F10 U10.G7 U10.G9 U10.G11 U10.H8 U10.J7 U10.J11 U10.K8 U10.L7 U10.L11 U10.M8 U10.M10 U10.N7 U10.N9 U10.N11 U11.F8 U11.F10 U11.G7 U11.G9 U11.G11 U11.H8 U11.J7 U11.J11 U11.K8 U11.L7 U11.L11 U11.M8 U11.M10 U11.N7 U11.N9 U11.N11
+1V8: C41.1 C50.1 C54.2 C57.2 C182.1 C184.1 C187.1 C191.1 C192.2 C196.1 C200.1 C203.1 C206.1 C208.1 C210.1 C223.1 C224.1 C225.1 C261.1 C262.1 C263.1 C264.1 C265.1 C266.1 C267.1 C275.1 C280.1 C284.1 C287.1 C290.1 C292.1 C294.1 C307.1 C308.1 L5.1 R49.1 R128.1 R157.2 U10.A7 U10.B10 U10.C3 U10.D6 U10.E8 U10.F2 U10.F12 U10.G5 U10.H10 U10.H12 U10.J1 U10.K12 U10.M12 U11.B10 U11.E8 U11.F12 U11.H10 U11.H12 U11.K12 U11.M12
+1V35: C39.1 C44.2 C47.2 C75.1 C78.1 C79.1 C80.1 C81.1 C82.1 C83.1 C85.1 C86.1 C87.1 C88.1 C89.1 C90.1 C91.1 C92.1 C93.1 C94.1 C95.1 C96.1 C97.1 C98.1 C101.1 C102.1 C103.1 C104.1 C105.1 C106.1 C108.1 C109.1 C110.1 C111.1 C112.1 C113.1 C114.1 C115.1 C116.1 C117.1 C118.1 C119.1 C120.1 C121.1 C186.1 C226.1 C227.1 C228.1 C229.1 C230.1 C231.1 C232.1 C238.1 C310.1 C311.1 C312.1 C313.1 C314.1 C315.1 C316.1 C317.1 C365.1 C366.1 IC9.A1 IC9.A8 IC9.B2 IC9.C1 IC9.C9 IC9.D2 IC9.D9 IC9.E9 IC9.F1 IC9.G7 IC9.H2 IC9.H9 IC9.K2 IC9.K8 IC9.N1 IC9.N9 IC9.R1 IC9.R9 IC10.A1 IC10.A8 IC10.B2 IC10.C1 IC10.C9 IC10.D2 IC10.D9 IC10.E9 IC10.F1 IC10.G7 IC10.H2 IC10.H9 IC10.K2 IC10.K8 IC10.N1 IC10.N9 IC10.R1 IC10.R9 L4.1 R47.1 R88.1 R94.1 R129.1 U10.K4 U10.N3 U10.P6 U10.T2 U10.U5 U10.V8 U11.K4 U11.N3 U11.P6 U11.T2 U11.U5 U11.V8
+3V3: C43.1 C51.1 C53.2 C56.2 C58.1 C59.1 C60.1 C61.1 C62.1 C64.1 C68.1 C70.1 C71.1 C72.1 C123.1 C125.2 C126.2 C127.1 C128.1 C129.1 C131.1 C133.1 C134.1 C135.1 C136.1 C137.1 C138.1 C164.1 C170.1 C172.1 C173.1 C188.2 C195.1 C199.1 C202.2 C204.2 C221.1 C222.1 C233.1 C234.1 C235.1 C236.1 C239.1 C241.1 C242.1 C243.1 C244.1 C245.1 C246.1 C247.1 C248.1 C249.1 C250.1 C251.1 C252.1 C253.1 C254.1 C255.1 C257.1 C305.1 C306.1 C326.1 C327.1 C328.1 C329.1 C330.1 C331.1 C332.1 C333.1 C334.1 C335.1 C336.1 C337.1 C338.1 C339.1 C346.1 C347.1 C348.1 C349.1 C350.1 C351.1 C352.1 C363.1 C364.1 D10.5 FB1.1 FB2.1 FB3.1 IC5.8 IC6.16 IC7.8 IC8.16 IC11.5 IC11.12 IC11.24 IC12.6 IC12.11 IC12.27 IC12.50 IC12.75 IC12.100 IC14.9 J4.A09 J4.A10 J4.B08 J5.2 J5.20 J6.2 J6.20 J10.1 J10.2 J13.6 J15.6 L6.1 L8.2 L11.2 R5.1 R9.2 R10.2 R51.2 R53.1 R54.1 R55.1 R56.1 R57.2 R58.2 R59.1 R61.2 R62.2 R67.2 R72.2 R75.1 R77.1 R96.1 R103.1 R107.1 R114.2 R115.2 R116.2 R117.2 R118.2 R119.2 R125.2 R127.1 R131.1 R132.2 R133.2 R136.2 R137.2 R156.1 R164.1 TP1.1 U6.7 U6.10 U9.5 U10.A17 U10.C13 U10.D16 U10.G15 U10.H18 U10.K14 U10.L17 U10.N13 U10.P8 U10.P12 U10.P16 U10.R9 U10.T12 U10.U15 U10.V18 U11.A7 U11.A17 U11.C3 U11.C13 U11.D6 U11.D16 U11.F2 U11.G5 U11.G15 U11.H18 U11.J1 U11.K14 U11.L17 U11.N13 U11.P8 U11.P12 U11.P16 U11.R9 U11.T12 U11.U15 U11.V18 U12.15 U12.21 U12.37 U12.38 U12.44 U12.45 X1.1 X1.4
+5V: C40.1 C45.2 C48.2 C122.1 C353.1 IC11.11 L2.2 R45.2 R138.1 U8.6
+12V: C17.1 C18.1 C21.1 C22.1 C23.1 C24.1 C25.1 C26.1 C27.1 C28.1 C29.1 C31.1 C354.1 C355.1 C356.1 F2.2 IC2.8 IC3.3 IC4.8 R36.2 R42.1 U3.1-3/34 U3.23 U4.5
/Ethernet_FPGA/AVDD_ETH: C361.1 C362.1 L8.1 U12.6 U12.41
/Ethernet_FPGA/DVDD10/AVDD10: C63.1 C65.1 C67.1 C69.1 C357.1 C358.1 C359.1 C360.1 L7.1 U12.3 U12.9 U12.28 U12.36 U12.40
/Ethernet_uC/AVDD_ETH: C169.1 C174.1 C175.1 IC14.1 IC14.19 L11.1 R139.2 R140.2 R141.2 R142.2 R143.1
/POWER/12.8V: C11.1 C12.1 C13.1 C14.1 C15.1 D2.2 L1.2 R33.1
/VSS_POE: C3.2 D4.3 D5.3 R25.1 R26.1 U1.2 U2.2
